# Altium PCB ESP8266_Hot_Plate_Ver_1.PcbDoc
Units mm, origin at the board's own origin, x right, y up, seen from the top; angles counter-clockwise.
Board outline 86 x 66 mm, 2 copper layers (Top Layer, Bottom Layer), stack 0.97 mm thick; 51 components, 31 nets, 145 pads, 346 vias.
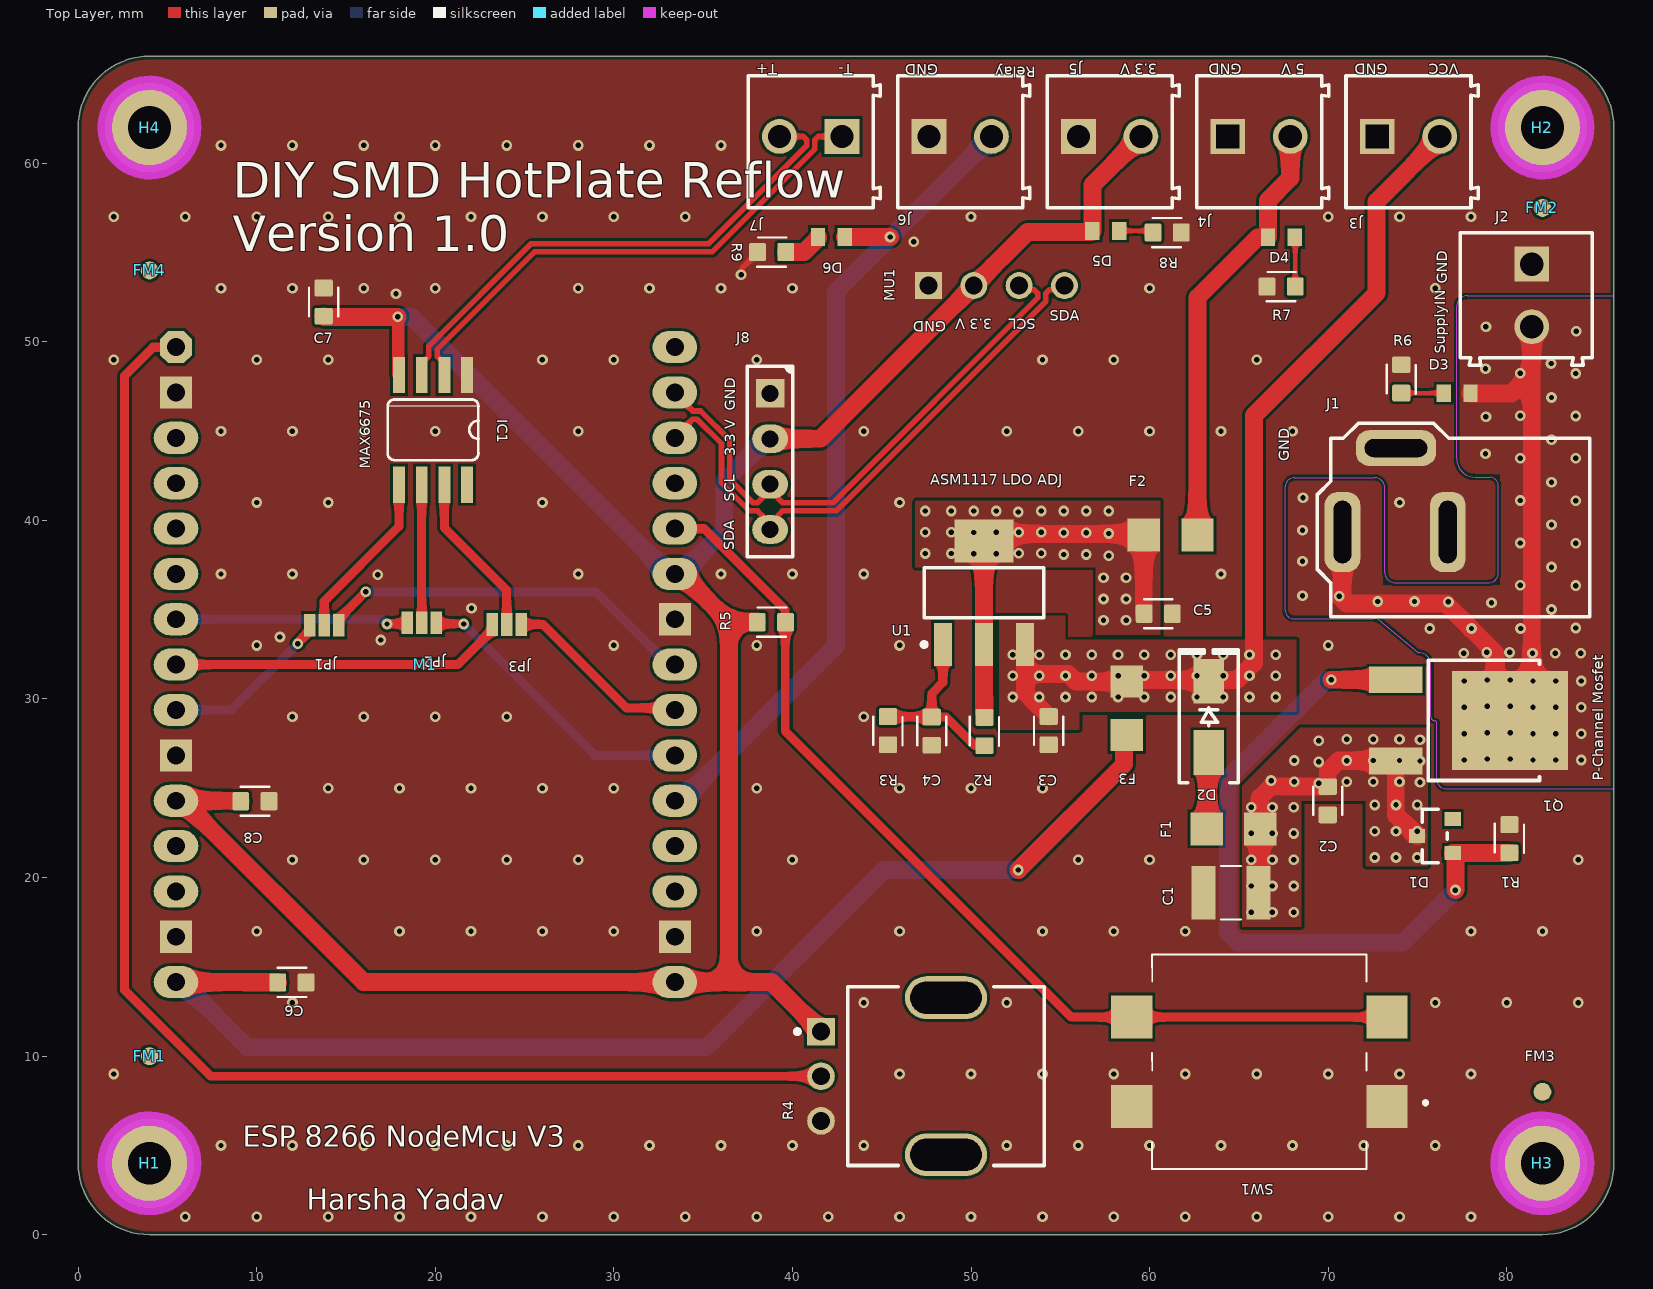
[diagram p0: Top Layer view]
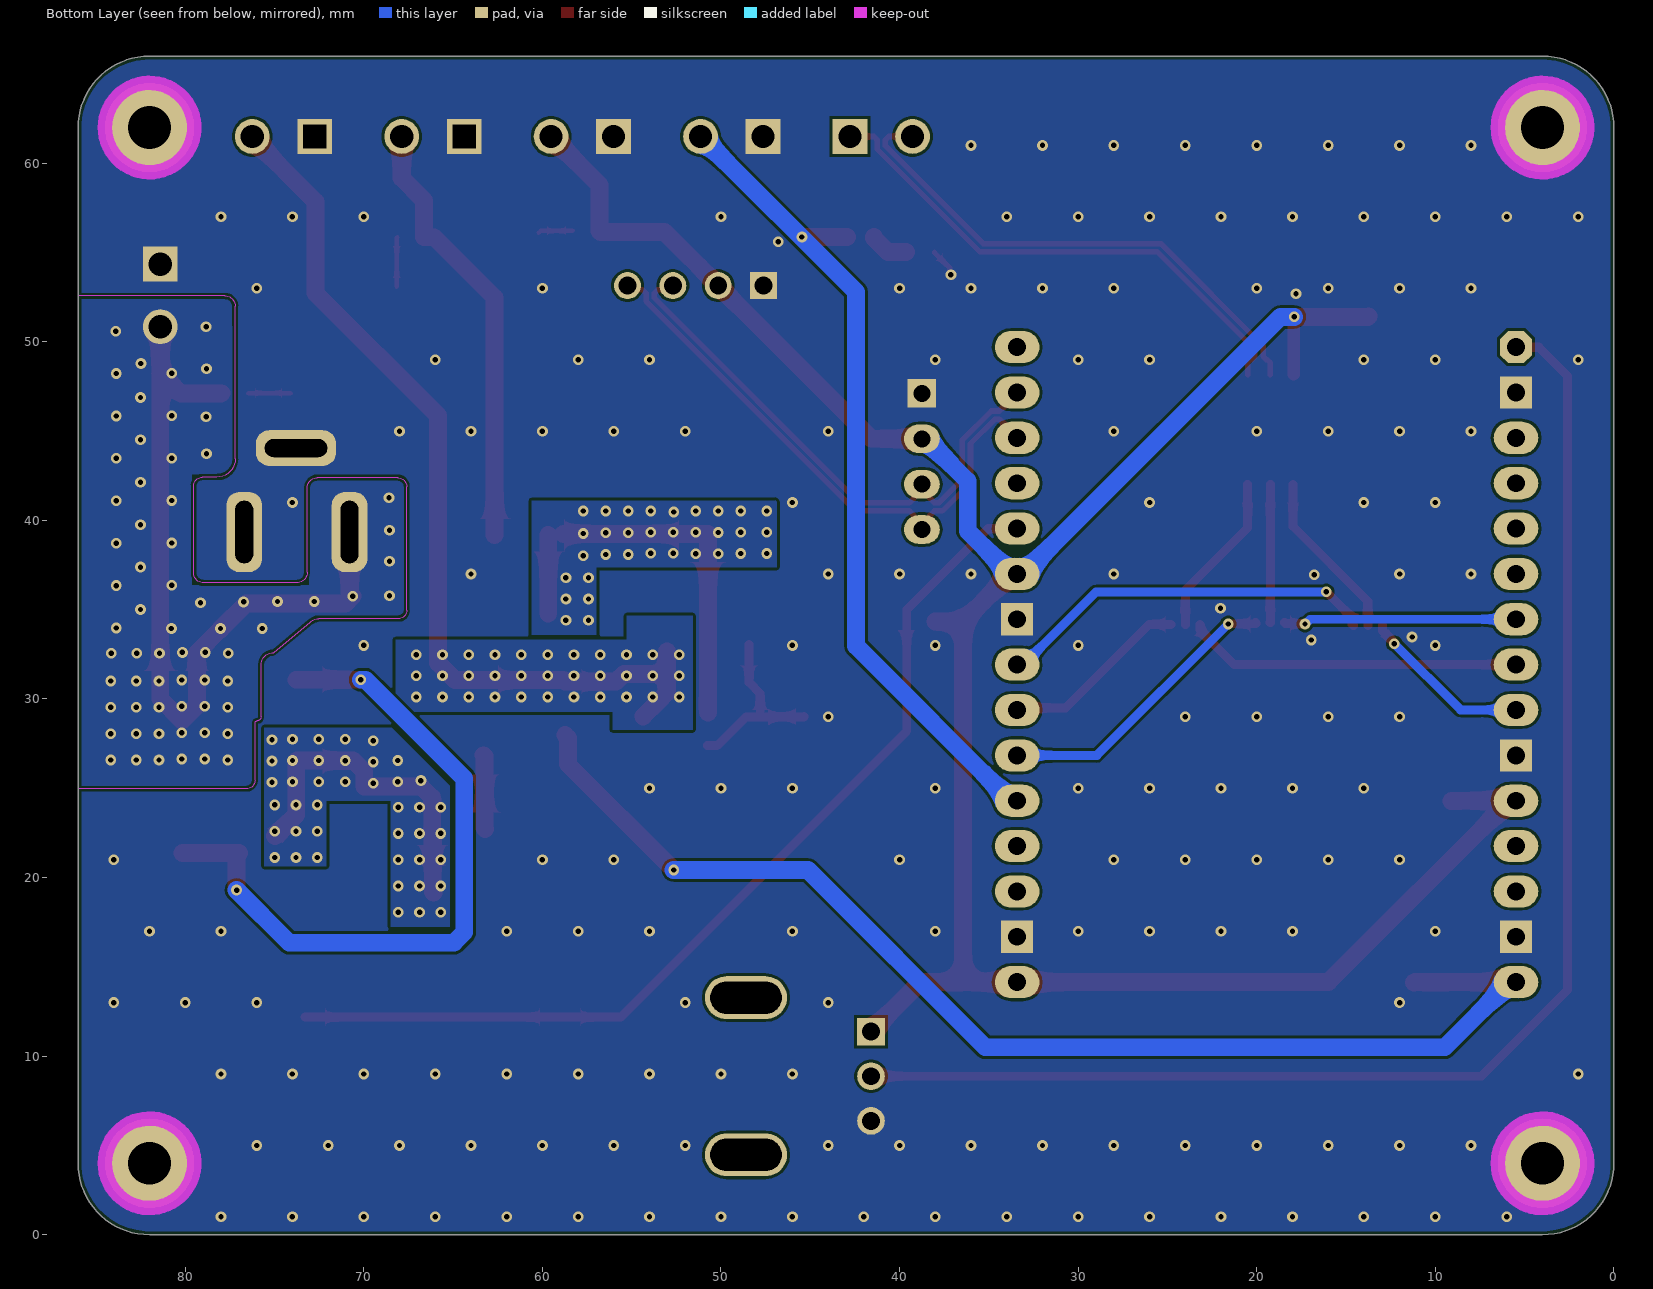
[diagram p1: Bottom Layer view, seen from below]
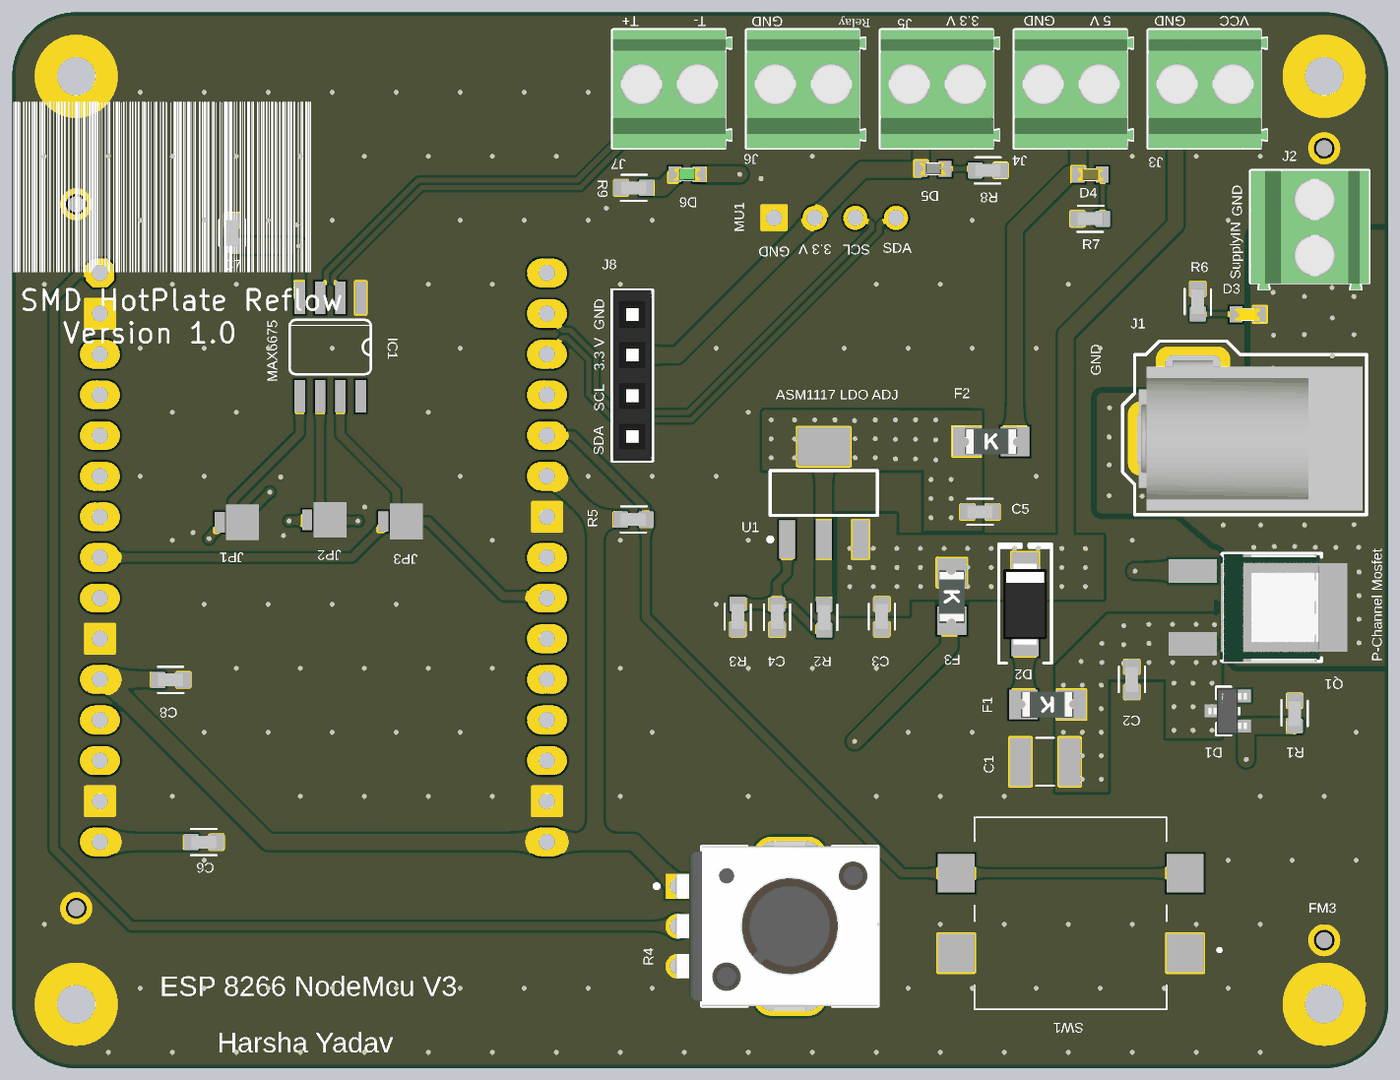
[diagram p2: 3D render of the assembled board from above, using the file's embedded part models]

## Layer stack, top to bottom
Top Solder: solder mask 0.0127, Solder Resist, Dk 3.8
Top Layer: signal copper 0.035
Dielectric: core 0.9, FR-4, Dk 4.5
Bottom Layer: signal copper 0.035
Bottom Solder: solder mask 0.0127, Solder Resist, Dk 3.8

## Board outline
0,4 0,62 cw(c4,62) 4,66 82,66 cw(c82,62) 86,62 86,4 cw(c82,4) 82,0 4,0 cw(c4,4)

## Design rules (kind name [scope] priority, off if disabled: settings)
BoardOutlineClearance [All] p1: gap=0.2 ignorepadtopadclearanceinfootprint=FALSE
Clearance [All] p1: gap=0.15 ignorepadtopadclearanceinfootprint=FALSE except(0.254: Arc-Hole Track-Hole SMDPad-Hole THPad-Hole Via-Hole Fill-Hole Poly-Hole Region-Hole Text-Hole)
ComponentClearance [All] p1: gap=0.127 collisioncheckmode=3 verticalgap=0.127 showdistances=TRUE
DiffPairsRouting [InDifferentialPairClass('All Differential Pairs')] p1: maxlimit=0.15 minlimit=0.15 mostfreqgap=0.15 toplayer_minwidth=0.312 toplayer_maxwidth=0.312 toplayer_prefwidth=0.312 bottomlayer_minwidth=0.312 bottomlayer_maxwidth=0.312 bottomlayer_prefwidth=0.312 impedanceprofiledriven=TRUE impedanceprofileid={C4782EB9-DCE2-4A9D-BB93-6AB4275F1281} impedanceprofilevalue=90.000000 maxuncoupledlength=12.7
Height [All] p1: minheight=0 maxheight=1816.048 prefheight=12.7
HoleSize [All] p1: absolutevalues=TRUE maxlimit=6.3 minlimit=0.3 maxpercent=80.000 minpercent=20.000
HoleToHoleClearance [All] p1: gap=0.25 allowstackedmicrovias=FALSE
MinimumAnnularRing [All] p1: minimumring=0.1
PlaneClearance [All] p1: clearance=0.254
PlaneConnect PlaneConnectPowerPads [InPadClass('PowerPads')] p1: planeconnectstyle=Direct reliefexpansion=0.508 reliefentries=4 reliefconductorwidth=0.254 reliefairgap=0.254
PlaneConnect [All] p2: planeconnectstyle=Direct reliefexpansion=0.3 reliefentries=4 reliefconductorwidth=0.127 reliefairgap=0.127
PolygonConnect PolygonConnectPowerPads [All vs (InPadClass('PowerPads'))] p1: connectstyle=Direct reliefconductorwidth=0.254 reliefentries=4 polygonreliefangle="90 Angle" airgapwidth=0.254
PolygonConnect [All] p2: connectstyle=Direct reliefconductorwidth=0.127 reliefentries=4 polygonreliefangle="90 Angle" airgapwidth=0.127
RoomDefinition 1_ESP8266_Hot_Plate [InComponentClass('1_ESP8266_Hot_Plate')] p1: confinementstyle=ConfineIn formatcopy=TRUE lockcomponents=FALSE outline -30,-12 162.825,-12 162.825,89 -30,89
RoutingVias [All] p1: holewidth=0.3 width=0.6 viastyle="Through Hole" minholewidth=0.3 minwidth=0.6 maxholewidth=0.6 maxwidth=6.6
SilkToSilkClearance [All] p1: silktosilkclearance=0.1
SilkToSolderMaskClearance [IsPad] p1: minsilkscreentomaskgap=0.15 clearancetoexposedcopper=TRUE
SolderMaskExpansion [All] p1: expansion=0.1 istentingtop=FALSE
SupplyNets "Schematic Supply Nets_10" [InNet('SupplyOUT')] p1: voltage=0.000
SupplyNets "Schematic Supply Nets_9" [InNet('Adjust')] p2: voltage=0.000
SupplyNets "Schematic Supply Nets_8" [InNet('LDO_Out')] p3: voltage=0.000
SupplyNets "Schematic Supply Nets_7" [InNet('+5')] p4: voltage=0.000
SupplyNets "Schematic Supply Nets_6" [InNet('NetD1_1')] p5: voltage=0.000
SupplyNets "Schematic Supply Nets_5" [InNetClass('GND')] p6: voltage=0.000
SupplyNets "Schematic Supply Nets_4" [InNet('+3.3V')] p7: voltage=0.000
SupplyNets "Schematic Supply Nets_3" [InNet('Relay')] p8: voltage=0.000
SupplyNets "Schematic Supply Nets_2" [InNet('VCC')] p9: voltage=0.000
SupplyNets "Schematic Supply Nets_1" [InNet('NetD2_1')] p10: voltage=0.000
SupplyNets "Schematic Supply Nets" [InNet('SupplyIN')] p11: voltage=0.000
Width Signal [InNetClass('Signal')] p1: maxlimit=0.5 minlimit=0.3 preferedwidth=0.5
Width Power [InNetClass('Power')] p2: maxlimit=1 minlimit=0.3 preferedwidth=0.5
Width GND [InNetClass('GND')] p3: maxlimit=1 minlimit=0.3 preferedwidth=0.5
21 further rules are at their usual default settings.

## Classes and differential pairs
differential pair class SDA_SLC: Diff_Pair_OLED
differential pair class Temp_Diff_Pair: Temp_Diff_Pair
component class "Room Definition1": IC1
net class Signal: A0 Adjust CS CS-1 CS-2 MISO MISO-1 MISO-2 SCLK SCLK-1 SCLK-2 SW
net class Power: +3.3V +5 LDO_Out NetD1_1 NetD2_1 Relay SupplyIN SupplyOUT VCC VIN
net class GND: GND
differential pair Diff_Pair_OLED: +Diff_Pair_OLED_P -Diff_Pair_OLED_N
differential pair Temp_Diff_Pair: +Temp_Diff_Pair_P -Temp_Diff_Pair_N

## Components (designator, comment, footprint, x,y, rotation, side; value= is the part's Value field where it differs from the comment)
C1 "47uF" 1411-3528 64.55,19.15 r180 top
C2 "100nF" C-0603 69.975,24.3 r90 top
C3 "10uF" C-0603 54.35,28.225 r90 top
C4 "10uF" C-0603 47.8,28.2 r90 top
C5 "22uF" C-0603 60.485,34.775 r180 top
C6 "100nF" C-0603 11.974,14.131 r180 top
C7 "0.1uF" C-0603 13.75,52.225 r270 top
C8 "0.1uF" C-0603 9.9,24.275 r180 top
D1 "BZX84C12-7-F" FP-SOT23-MFG 75.975,22.325 r180 top
D2 "SS34-HF" "DO214AC SMA" 63.306,29.002 r90 top
D3 "YELLOW" LED_0603_YELLOW 77.226,47.118 r0 top
D4 "RED" LED_0603_RED 67.377,55.855 r180 top
D5 "BLUE" LED_0603_BLUE 57.547,56.214 r180 top
D6 "GREEN" LED_0603_GREEN 42.176,55.869 r0 top
F1 "3A" FUSE_1206 64.698,22.729 r180 top
F2 "1A" FUSE_1206 61.175,39.175 r0 top
F3 "500mA" FUSE_1206 58.725,29.475 r270 top
FM1 "FIDUCIAL" FIDUCIAL-1MM 4,10 r0 top
FM2 "FIDUCIAL" FIDUCIAL-1MM 82,57.5 r0 top
FM3 "FIDUCIAL" FIDUCIAL-1MM 82,8 r0 top
FM4 "FIDUCIAL" FIDUCIAL-1MM 4,54 r0 top
H1 "MOUNTING PAD, round" 2,4-PAD 4,4 r0 top
H2 "MOUNTING PAD, round" 2,4-PAD 82,62 r0 top
H3 "MOUNTING PAD, round" 2,4-PAD 82,4 r0 top
H4 "MOUNTING PAD, round" 2,4-PAD 4,62 r0 top
IC1 "MAX6675" SO08 19.875,45.075 r180 top
J1 "DC-005-5A-3.0" DC-005-5A-3.0 76.7,39.35 r180 top
J2 "691214110002" 691214110002#1 81.1,52.6 r90 top
J3 "691214110002" 691214110002#2 74.5,61.2 r180 top
J4 "691214110002" 691214110002#2 66.131,61.2 r180 top
J5 "691214110002" 691214110002#1 57.762,61.2 r180 top
J6 "691214110002" 691214110002#1 49.394,61.2 r180 top
J7 "691214110002" 691214110002#3 41.025,61.2 r180 top
J8 "SSW-104-03-T-S" "SAMTEC SSW-104-03-T-S" 38.75,43.3 r270 top
JP1 "JUMPER-SMT_3_1-NC_PASTE_SILK" SMT-JUMPER_3_1-NC_PASTE_SILK 13.775,34.125 r0 top
JP2 "JUMPER-SMT_3_1-NC_PASTE_SILK" SMT-JUMPER_3_1-NC_PASTE_SILK 19.25,34.275 r0 top
JP3 "JUMPER-SMT_3_1-NC_PASTE_SILK" SMT-JUMPER_3_1-NC_PASTE_SILK 24,34.175 r0 top
M1 "Nodemcu V3" NODEMCU 19.45,31.925 r0 top
MU1 "128x64 Dot Matrix OLED Module based on SSD1306" DISPLAY-OLED-128X64-I2C 51.425,40.45 r0 top
Q1 "FDD6637" FP-369AS-MFG 78.725,28.8 r270 top
R1 "100k" R-0603 80.15,22.175 r90 top value=10K
R2 "150K" R-0603 50.75,28.175 r90 top value=10K
R3 "50K" R-0603 45.35,28.225 r270 top value=10K
R4 "PTV09A-4020U-B103" FP-PTV09A-4-MFG 48.6,8.875 r270 top value=10kΩ
R5 "150K" R-0603 38.825,34.3 r0 top value=10K
R6 "5.1K" R-0603 74.094,47.924 r270 top value=10K
R7 "1.5K" R-0603 67.368,53.091 r0 top value=10K
R8 "680R" R-0603 60.982,56.118 r180 top value=10K
R9 "680R" R-0603 38.837,55.029 r0 top value=10K
SW1 "B3FS-4002P" B3FS4002P 67.275,9.688 r0 top
U1 "AMS1117MP-ADJ" MP04A_N 50.725,35.95 r90 top

## Footprints (in the part's own frame and the unit in brackets; to place one, negate y for a bottom-side part, rotate by r counter-clockwise, add the part's x,y. Pads: shape width x height; smd on the part's side, far side on the other; paste and mask are expansions set on the pad)
2,4-PAD [mm]
  round 5 hole 2.4: 1(0,0)
  Top Layer keep-out circle w0.813: c0,0 r2.5
  Top Layer keep-out circle w0.813: c0,0 r2.5
  Bottom Layer keep-out circle w0.813: c0,0 r2.5
1411-3528 [mm]
  rect 1.34x3.02 smd: 1(-1.54,0) 2(1.54,0)
  silkscreen extent -0.55,-1.5 0.55,1.5
691214110002#1 [mm] "3.50 mm Horizontal Entry Modular, 2p"
  round 1.95 hole 1.3: 1(-1.75,-0.3)
  rect 1.95x1.95 hole 1.3: 2(1.75,-0.3)
  silkscreen extent -3.9,-3.7 3.5,3.7, body extent -3.95,-3.7 3.5,3.7, height 8.55
691214110002#2 [mm] "3.50 mm Horizontal Entry Modular, 2p"
  round 1.95 hole 1.3: 1(-1.75,-0.3)
  rect 1.95x1.95 hole 1.3 square: 2(1.75,-0.3)
  silkscreen extent -3.9,-3.7 3.5,3.7, body extent -3.95,-3.7 3.5,3.7, height 8.55
691214110002#3 [mm] "3.50 mm Horizontal Entry Modular, 2p"
  rect 1.95x1.95 hole 1.3: 1(-1.75,-0.3)
  round 1.95 hole 1.3: 2(1.75,-0.3)
  silkscreen extent -3.9,-3.7 3.5,3.7, body extent -3.95,-3.7 3.5,3.7, height 8.55
B3FS4002P [mm]
  rect 2.3x2.4 smd: 1(6.025,-2.5) 2(-8.275,-2.5) 3(6.025,2.5) 4(-8.275,2.5)
  silkscreen extent -7.13,-6 8.27,6
C-0603 [mm]
  rrect20% 0.94x1.02 smd mask+0.05: 1(-0.79,0) 2(0.79,0)
  silkscreen extent -0.8,-0.82 0.8,0.82, body extent -0.8,-0.4 0.8,0.4, height 0.23
DC-005-5A-3.0 [mm]
  rrect75% 2x4.5 hole 1 slot 3.5 at 90 deg mask+0.07: 1(5.9,0) 2(0,0)
  rrect75% 4.5x2 hole 1 slot 3.5 at 0 deg mask+0.07: 3(2.9,-4.7)
  silkscreen extent -7.95,-6.1 7.3,4.75, body extent -7.7,-4.9 6.3,4.5, height 11.01
DISPLAY-OLED-128X64-I2C [mm]
  rect 1.508x1.508 / inner round 1.393 / far side rect 1.508x1.508 hole 1: 1(-3.81,12.7)
  round 1.508 hole 1: 2(-1.27,12.7) 3(1.27,12.7) 4(3.81,12.7)
"DO214AC SMA" [mm] "Molded Diode, 2-Leads, Body 4.30x2.60mm, IPC Medium Density"
  rect 2.5x1.7 smd: 1(-2,0) 2(2,0)
  silkscreen extent -3.68,-1.65 3.75,1.65, body extent -2.6,-1.37 2.6,1.37, height 2.4
FIDUCIAL-1MM [mm] "1MM FIDUCAL MARKER"
  round 1 smd paste+0 mask+0.5: 1(0,0)
FP-369AS-MFG [mm]
  rect 1.5x3 smd paste+0 mask+0: 1(-2.28,-4.938) 3(2.28,-4.938)
  rect 5.55x6.5 smd paste+0 mask+0: 4(0,1.462)
  silkscreen extent -3.36,-3.11 3.36,3.11, body extent -3.46,-6.46 3.46,4.81, height 0.25
FP-PTV09A-4-MFG [mm]
  rect 1.55x1.55 hole 1 paste-1000 mask+0: 1(-2.5,-7)
  round 1.55 hole 1 paste-1000 mask+0: 2(0,-7) 3(2.5,-7)
  rrect100% 2.4x4.6 hole 4 slot 1.8 at 0 deg paste-1000 mask+0: 4(-4.4,0) 5(4.4,0)
  silkscreen extent -5,-8.45 5,5.5, body extent -5.8,-7.88 5.8,5.6, height 0.25
FP-SOT23-MFG [mm]
  rect 0.9x0.8 smd paste+0 mask+0: 1(-1,0.95) 2(-1,-0.95) 3(1,0)
  silkscreen extent -0.7,-1.5 0.7,1.5, body extent -1.55,-1.6 1.55,1.6, height 0.25
FUSE_1206 [mm]
  rect 1.8x1.84 smd: 1(-1.5,0) 2(1.5,0)
  body extent -1.65,-0.82 1.65,0.81, height 0.84
LED_0603_BLUE [mm]
  rect 0.8x1 smd: A(0.75,0) K(-0.75,0)
  body extent -0.8,-0.4 0.8,0.4, height 0.6
LED_0603_GREEN [mm]
  rect 0.8x1 smd: A(0.75,0) K(-0.75,0)
  body extent -0.8,-0.4 0.8,0.4, height 0.6
LED_0603_RED [mm]
  rect 0.8x1 smd: A(0.75,0) K(-0.75,0)
  body extent -0.8,-0.4 0.8,0.4, height 0.6
LED_0603_YELLOW [mm]
  rect 0.8x1 smd: A(0.75,0) K(-0.75,0)
  body extent -0.8,-0.4 0.8,0.4, height 0.6
MP04A_N [mm] "SOT223, 4-Leads, Body 6.5x3.5mm, Pitch 2.3mm, Lead Span 7mm, IPC Medium Density"
  rect 2.4x1 smd: 1(-2.9,2.3) 2(-2.9,0) 3(-2.9,-2.3)
  rect 2.4x3.3 smd: 4(2.9,0)
  silkscreen extent -3.02,-3.35 1.4,3.47, body extent -1.86,-3.35 1.86,3.35, height 1.8
NODEMCU [mm] "Node MCU V3"
  oct 1.8x1.8 hole 1: 1(-13.97,17.78)
  rect 1.8x1.8 hole 1: 2(-13.97,15.24) 10(-13.97,-5.08) 14(-13.97,-15.24) 17(13.97,-15.24) 24(13.97,2.54)
  oval 2.5x1.8 hole 1: 3(-13.97,12.7) 4(-13.97,10.16) 5(-13.97,7.62) 6(-13.97,5.08) 7(-13.97,2.54) 8(-13.97,0) 9(-13.97,-2.54) 11(-13.97,-7.62) 12(-13.97,-10.16) 13(-13.97,-12.7) 15(-13.97,-17.78) 16(13.97,-17.78) 18(13.97,-12.7) 19(13.97,-10.16) 20(13.97,-7.62) 21(13.97,-5.08) 22(13.97,-2.54) 23(13.97,0) 25(13.97,5.08) 26(13.97,7.62) 27(13.97,10.16) 28(13.97,12.7) 29(13.97,15.24) 30(13.97,17.78)
R-0603 [mm]
  rrect20% 0.94x1.02 smd mask+0.05: 1(-0.79,0) 2(0.79,0)
  silkscreen extent -0.8,-0.82 0.83,0.82, body extent -0.8,-0.4 0.8,0.4, height 0.23
"SAMTEC SSW-104-03-T-S" [mm]
  rect 1.6x1.6 hole 0.95: 1(-3.81,0)
  oval 1.6x2 hole 0.95: 2(-1.27,0) 3(1.27,0) 4(3.81,0)
  silkscreen extent -5.34,-1.27 5.34,1.27, body extent -5.33,-1.21 5.33,1.21, height 8.51
SMT-JUMPER_3_1-NC_PASTE_SILK [mil]
  rect 25x50 smd paste+0: 1(-32,0) 2(0,0) 3(32,0)
SO08 [mil]
  rect 26x80 smd: 1(-75,-121) 2(-25,-121) 3(25,-121) 4(75,-121) 5(75,121) 6(25,121) 7(-25,121) 8(-75,121)
  silkscreen extent -100,-67 100,67

## Part data
C1: library part "C-1411 (3528 Metric)", "Molded Tantalum Capacitors 16V 1411 (3528 Metric)", Package="1411 KEMET", Availability=Unavailable, MF=KEMET, MP=T495B106K025ATE750, price=None, SnapEDA_Link=https://www.snapeda.com/parts/T495B106K025ATE750/KEMET/view-part/1680496/?ref=snap
C2 C3 C4 C5 C6 C7 C8: library part C-0603, "Ceramic Capacitor 16V 0603 (1608 Metric)", Package="0603 KEMET", Availability=Warning, Check_prices=https://www.snapeda.com/parts/C0603C104J4RAC/KEMET/view-part/1763758/?ref=eda, MF=KEMET, MP=C0603C104J4RAC, price=None, SnapEDA_Link=https://www.snapeda.com/parts/C0603C104J4RAC/KEMET/view-part/1763758/?ref=snap
D1: library part CMP-12792-000017-1, "DIODE ZENER 12V 300MW SOT23-3", manufacturer="Diodes Inc.", Max Junction Temp=+150°C, Max Reverse Leakage Current=0.1uA, Max Zener Voltage=12.7V, Nom Zener Voltage=12V, Package=SOT23, Power Dissipation=300mW, Reverse Voltage=8V, Temperature="-65°C to +150°C", Temperature Range Low=-65°C, Automotive=No, Category=Diode, componentlink2description=Datasheet, componentlink2url=https://www.diodes.com/assets/Datasheets/ds18001.pdf, Device Class L1="Discrete Semiconductors", Device Class L2=Diodes, Device Class L3="Zener Diodes", Digikey Description="DIODE ZENER 12V 300MW SOT23-3", Footprint Url=https://www.diodes.com/assets/Package-Files/SOT23.pdf, Height=1.1mm, Ipc Land Pattern Name=SOT92P240X102-3, Lead Free=Yes, Manufacturer Part Number=BZX84C12-7-F, Mouser Description="Zener Diodes 12V 350mW", Octopart=https://octopart.com/bzx84c12-7-f-diodes+inc.-327696, RoHS=TRUE, Standoff Height=0.013mm, Temperature Range High=+150°C, Zener Impedance=25Ω
D2: "DIODE SCHOTTKY 40V 3A DO214AC", Capacitance @ Vr, F="450pF @ 4V, 1MHz", Current - Average Rectified (Io)=3A, Current - Reverse Leakage @ Vr="500 µA @ 40 V", manufacturer="Comchip Technology", Operating Temperature - Junction="-55°C ~ 125°C", Package / Case="DO-214AC, SMA", Supplier Device Package="DO-214AC (SMA)", Supplier Part Number 1=641-2115-1-ND, Voltage - DC Reverse (Vr) (Max)="40 V", Voltage - Forward (Vf) (Max) @ If="550 mV @ 3 A", componentlink1description=Datasheet, componentlink1url=http://www.comchiptech.com/admin/files/product/20190514101641.pdf, componentlink2description="DigiKey Link", componentlink2url=https://www.digikey.com/en/products/detail/comchip-technology/SS34-HF/10279693, Diode Type=Schottky, lastupdated="02-01-2023 08:53:33 PM", Lifecycle Status=Active, Minimum Order=1, Mounting Type="Surface Mount", packaging=TapeAndReel, Part Number=SS34-HF, Part Status=Active, partid=2138, price=0.07, series=-, Speed="Fast Recovery =< 500ns, > 200mA (Io)", Supplier 1=DigiKey
D3: library part LED_0603_YELLOW, "LED 0603 YELLOW SMD"
D4: library part LED_0603_RED, "LED 0603 RED SMD"
D5: library part LED_0603_BLUE, "LED 0603 BLUE SMD"
D6: library part LED_0603_GREEN, "LED 0603 GREEN SMD"
F1 F2 F3: library part FUSE_PPTC_1206, "Fuse PPTC SMD 1206"
H1 H2 H3 H4: library part MOUNT-PAD-ROUND2.4, Package=2,8-PAD, DeviceName=2.8, DeviceSetName=MOUNT-PAD-ROUND, GateName_1=G$1, LibraryName=Holes-Custom, POPULARITY=6, SymbolName_1=MOUNT-PAD
IC1: "IC THERMOCOUP TO DGTL 8-SOIC", Package="SOIC-8 Maxim Integrated", Availability=Unavailable, MF="Maxim Integrated", MP=MAX6675, price=None, SnapEDA_Link=https://www.snapeda.com/parts/MAX6675/Maxim%20Integrated/view-part/558569/?ref=snap
J1: "DC Barrell Jack 6.2mm 5 A3.0mm Through Hole", Parameter 1=XKB, Parameter 2=DC-005-5A-3.0
J2 J3 J4 J5 J6 J7: library part CMP-1502-02464-1, "Serie 2141 - 3.50 mm Horizontal Entry Modular with Rising Cage Clamp WR-TBL, 2 pin", manufacturer="Wurth Elektronik", Operating Temperature=-40to105degC, Datasheet URL=http://katalog.we-online.de/em/datasheet/6912141100xx.pdf, Manufacturer URL=http://www.we-online.de, Mounting Technology=THT, Package Reference=691214110002, packaging=Box, Part Number=691214110002, Pin Number=2, Pitch=3.50mm, Publisher=WurthElektronik
J8: "CONN RCPT 4POS 0.1 TIN PCB", Current Rating (Amps)="5.7A per Contact", Insulation Color=Black, manufacturer="Samtec Inc.", Material Flammability Rating="UL94 V-0", Operating Temperature="-55°C ~ 105°C", Supplier Part Number 1=SSW-104-03-T-S-ND, componentlink2description="DigiKey Link", componentlink2url=http://digikey.com/product-detail/en/samtec-inc/SSW-104-03-T-S/SSW-104-03-T-S-ND/7874034, Connector Type=Receptacle, Contact Finish - Mating=Tin, Contact Finish - Post=Tin, Contact Type=Forked, Fastening Type=Push-Pull, lastupdated="21-06-2022 03:08:52 PM", Lifecycle Status=Active, Minimum Order=1, Mounting Type="Through Hole", Number of Positions=4, Number of Positions Loaded=All, Number of Rows=1, packaging=Bulk, Part Number=SSW-104-03-T-S, Part Status=Active, price=0.83, series=SSW, Style="Board to Board or Cable", Supplier 1=DigiKey, Termination=Solder
JP1 JP2 JP3: "Normally closed solder jumper (1 of 2 connections)    This jumper has an aperture in the stencil to allow solder paste to bridge one of the two connections. One connection is normally closed (NC), while the other is normally open (NO). Wick off the solder to open the connection. Reapply solder to reclose the connection. Apply solder to the other side instead to change the current path.", Package=SMT-JUMPER_3_1-NC_PASTE_SILK, DeviceName=_SILK, DeviceSetName=JUMPER-SMT_3_1-NC_PASTE, GateName_1=G$1, LibraryName=SparkFun-Jumpers, SymbolName_1=SMT-JUMPER_3_1-NC_PASTE
M1: library part NODEMCU, "Node MCU V3 Module", DeviceSetName=NODEMCU, GateName_1=G$1, LibraryName=nodemcu, Package=NODEMCU, SymbolName_1=NODEMCU
MU1: library part DISPLAY-OLED-128X64-I2C, "128x64 Dot Matrix OLED Module based on SSD1306 chip Variant with I2C interface   More details available here: http://www.instructables.com/id/Monochrome-096-i2c-OLED-display-with-arduino-SSD13/   SSD1306 datasheet: https://cdn-shop.adafruit.com/datasheets/SSD1306.pdf   Click here to find device on ebay.com Note: There are two variants: I2C and SPI. Search for the proper version.", DeviceSetName=DISPLAY-OLED-128X64-I2C, GateName_1=G$1, LibraryName=diy-modules, Package=DISPLAY-OLED-128X64-I2C, SymbolName_1=DISPLAY-OLED-128X64-I2C
Q1: library part CMP-07173-000090-1, "MOSFET P-CH 35V 13A DPAK", Continuous Drain Current=-13A, Drain To Source Breakdown Voltage=-35V, Drain To Source Resistance=9.7mΩ, Gate To Source Voltage=25V, Input Capacitace At Vds="2370pF @ -20V", manufacturer="ON Semiconductor", Max Forward Diode Voltage=-1.2V, Max Junction Temp=+150°C, Package=369AS, Power Dissipation=1.3W, Pulse Drain Current=-100A, Temperature="-55°C to +150°C", Temperature Range Low=-55°C, Typ Forward Diode Voltage=-0.8V, Automotive=No, Category=Trans, componentlink2description=Datasheet, componentlink2url=https://www.onsemi.com/pub/Collateral/FDD6637-D.pdf, Depletion Mode=False, Device Class L1="Discrete Semiconductors", Device Class L2=Transistors, Device Class L3=MOSFETs, Digikey Description="MOSFET P-CH 35V 13A DPAK", Drain To Source Voltage=-35V, Footprint Url=https://www.onsemi.com/pub/Collateral/369AS.PDF, Gate Charge At Vgs="45nC @ -10V", Height=2.517mm, Lead Free=Yes, Manufacturer Part Number=FDD6637, Mouser Description="MOSFET 35V PCH PowerTrench MOSFET", Number Of Channels=1, Number Of P Channels=1, Octopart=https://octopart.com/fdd6637-on+semiconductor-84325825, Reverse Recovery Charge=15nC, Reverse Recovery Time=28ns, RoHS=TRUE, Rthja Max=96°C/W, Temperature Range High=+150°C, Threshold Vgs Max=-3V, Threshold Vgs Min=-1V, Transconductance=35S, Turn Off Delay Time=62ns, Turn On Delay Time=18ns
R1 R2 R3 R5 R6 R7 R8 R9: library part R-0603, "0603", Power_Rating=".1 W", Resistance=10K, Tolerance=1%, Availability=Warning, Check_prices=https://www.snapeda.com/parts/2-1623703-0/TE%20Connectivity/view-part/2213192/?ref=eda, MF="TE Connectivity", MP=2-1623703-0, Package=0603, price=None, SnapEDA_Link=https://www.snapeda.com/parts/2-1623703-0/TE%20Connectivity/view-part/2213192/?ref=snap
R4: library part CMP-07234-000013-1, "POT 10K OHM 1/20W CARBON LINEAR", manufacturer="Bourns Inc.", Package=PTV09A-4, Power Rating=0.05W, Resistance=10kΩ, Temperature="-10°C to +50°C", Temperature Range High=+50°C, Temperature Range Low=-10°C, Tolerance=20%, Voltage Rating=50V, Automotive=No, Category=Res, componentlink2description=Datasheet, componentlink2url=https://www.bourns.com/docs/product-datasheets/ptv09.pdf?sfvrsn=5e1089f1_12, Composition=Carbon, Device Class L1="Passive Components", Device Class L2=Resistors, Device Class L3="Variable Resistors and Potentiometers", Digikey Description="POT 10K OHM 1/20W CARBON LINEAR", Height=20.5mm, Lead Free=Yes, Manufacturer Part Number=PTV09A-4020U-B103, Mouser Description="Potentiometers 10K LINEAR 20%", Octopart=https://octopart.com/ptv09a-4020u-b103-bourns-1878033, RoHS=TRUE, series=PTV09
SW1: library part "Tactile Switch 12x12mm", "Black Cap Tactile Switch, SPST-NO 50 mA @ 24 V dc 0.4mm", Manufacturer_Name="Omron Electronics", Mouser Part Number=653-B3FS-4002P, Datasheet Link=http://omronfs.omron.com/en_US/ecb/products/pdf/en-b3fs_4.pdf, Geometry.Height=4mm, Manufacturer_Part_Number=B3FS-4002P, Mouser Price/Stock=https://www.mouser.co.uk/ProductDetail/Omron-Electronics/B3FS-4002P?qs=%2Fv%252BM2iqGzeVovpzrTEhCpQ%3D%3D
U1: library part CMP-0062-01645-3, "800mA Low-Dropout Linear Regulator, 4-pin SOT-223", manufacturer="National Semiconductor", PackageTopMarking=XYTT*N03A, PartNumber=LM1117MP-ADJ, PowerWise=N, Code_IPC=SOT223-4, Code_JEDEC=TO-261-AA, componentlink1description="Manufacturer URL", componentlink1url=http://www.national.com/, componentlink2description="LM1117 Datasheet", componentlink2url=http://www.national.com/ds/LM/LM1117.pdf, ComponentLink3Description="LM1117 Web Page", ComponentLink3URL=http://www.national.com/pf/LM/LM1117.html, ComponentLink4Description="MP04A Package Page", ComponentLink4URL=http://www.national.com/packaging/folders/mp04a.html, CompType="LDO IC", DatasheetVersion=Apr-2006, High-Reliability=Y, PackageDescription="Molded SOT-223, 6.50 x 3.56 x 1.6mm Body, 4 Lead, 2.3mm Pitch", PackageReference=MP04A, PackageVersion="revB, Apr-2003", PinCount=4, RevisionNote="SCH symbol layout adjusted", RoHS=N

## Via types
v1: diameter 0.6, hole 0.3, Top Layer to Bottom Layer, tented both sides, 262 vias
v2: diameter 0.6, hole 0.3, Top Layer to Bottom Layer, tented bottom, 84 vias

## Nets (pads, with @x,y where several pads share a name; then routed paths per layer and width w, separated by ;. In a path a pad name is that pad's centre, name@x,y a point inside that pad or via, vN(x,y) a via of type N, cw(c..) or ccw(c..) an arc to the next point about the centre after c; other vN are vias at no path point)
+3.3V: C7.2 C8.2 D5.A IC1.4 J5.1 J8.2 M1.11 M1.16 M1.25 MU1.2 R4.1 R5.1 | length 139
  Top Layer w0.3: v1(17.9,51.4) v1@17.935,51.365 ; IC1.4@17.935,48.183 IC1.4
  Top Layer w0.7: IC1.4@17.935,48.183 v1@17.935,51.365
  Top Layer w1: M1.11 M1.11@5.83,24.305 ; C8.2 9.1,24.285 8.624,24.285 8.604,24.305 M1.11@5.83,24.305 ; C7.2 13.75,51.415 13.76,51.405 13.78,51.405 13.785,51.4 v1(17.9,51.4) ; M1.25 33.77,37.005 36.44,34.335 ; R5.1@38,34.335 36.44,34.335 ; J8.2 41.575,44.57 MU1.2 53.162,56.157 56.74,56.157 D5.A 56.797,58.785 J5.1 ; R4.1 38.83,14.145 36.44,14.145 ; M1.11@5.83,24.305 15.99,14.145 M1.16 36.44,14.145 ; 36.44,14.145 36.44,34.335
  Bottom Layer w1: v1(17.9,51.4) 18.675,51.4 33.07,37.005 M1.25 33.77,37.005 36.179,39.414 36.179,42.199 38.55,44.57 J8.2
+5: D4.A F2.2 J4.1 | length 24.8
  Top Layer w1: F2.2 62.675,52.475 66.055,55.855 D4.A 66.627,57.922 67.881,59.176 J4.1
A0: M1.1 R4.2 | length 78.9
  Top Layer w0.5: M1.1 4.205,49.705 2.6,48.1 2.6,13.7 7.425,8.875 R4.2
Adjust: C4.2 R2.1 R3.1 U1.1 | length 10.4
  Top Layer w0.5: R3.1 45.362,29.003 47.787,29.003 C4.2 ; U1.1 48.425,30.925 47.8,30.3 C4.2 ; R2.1 50.215,27.385 48.61,28.99 C4.2
CS: IC1.6 JP2.2 | length 7.7
  Top Layer w0.5: IC1.6 19.24,34.285 JP2.2
CS-1: JP2.3 M1.21 | length 16.5
  Top Layer w0.5: JP2.3 20.025,34.237 20.025,34.212 21.588,34.212 v1(21.6,34.2)
  Bottom Layer w0.5: v1(21.6,34.2) 28.955,26.845 M1.21
CS-2: JP2.1 M1.7 | length 13.1
  Top Layer w0.5: v1(17.3,34.2) 17.319,34.219 18.381,34.219 JP2.1
  Bottom Layer w0.5: M1.7 17.008,34.465 17.273,34.2 v1(17.3,34.2)
Diff_Pair_OLED_N: J8.4 M1.28 MU1.4 | length 32.4
  Top Layer w0.312: M1.28 33.42,44.678 34.407,45.664 34.665,45.664 36.028,44.301 36.028,42.107 37.605,40.529 38.055,40.529 38.303,40.28 38.303,39.937 J8.4 39.197,39.937 39.197,40.28 39.445,40.529 42.455,40.529 54.196,52.27 54.196,52.72 54.397,52.921 55.006,52.921 MU1.4
Diff_Pair_OLED_P: J8.3 M1.29 MU1.3 | length 31.7
  Top Layer w0.312: M1.29 33.42,47.112 34.407,46.126 34.856,46.126 36.49,44.492 36.49,42.298 37.797,40.991 38.055,40.991 38.303,41.24 38.303,41.583 J8.3 39.197,41.583 39.197,41.24 39.445,40.991 42.263,40.991 53.734,52.462 53.734,52.72 53.533,52.921 52.924,52.921 MU1.3
GND: C1.2 C2.1 C3.1 C4.1 C5.1 C6.1 C7.1 C8.1 H1.1 H2.1 H3.1 H4.1 IC1.1 J1.2 J1.3 J2.2 J3.2 J4.2 J5.2 J6.2 J8.1 M1.2 M1.10 M1.14 M1.17 M1.24 MU1.1 R1.2 R3.2 R4.3 R6.1 R7.1 R8.1 R9.1 SW1.1 SW1.2 | length 1.7
  Top Layer w0.3: v1(37.125,53.75) 37.182,53.807 37.182,54.124 38.047,54.989 R9.1
  other v1: 6,1 10,1 14,1 18,1 22,1 26,1 30,1 34,1 38,1 42,1 46,1 50,1 54,1 58,1 62,1 66,1 70,1 74,1 78,1 8,5 12,5 16,5 20,5 24,5 28,5 32,5 36,5 40,5 44,5 52,5 56,5 60,5 64,5 68,5 72,5 76,5 2,9 46,9 50,9 54,9 58,9 62,9 66,9 70,9 74,9 78,9 12,13 44,13 52,13 76,13 80,13 84,13 10,17 18,17 22,17 26,17 30,17 38,17 46,17 54,17 58,17 62,17 78,17 82,17 12,21 16,21 20,21 24,21 28,21 40,21 56,21 60,21 84,21 14,25 18,25 22,25 26,25 30,25 38,25 46,25 50,25 54,25 12,29 16,29 20,29 24,29 44,29 10,33 30,33 38,33 46,33 70,33 16.95,33.3 11.3,33.475 22.025,35.075 16.775,36.95 8,37 12,37 28,37 36,37 40,37 44,37 64,37 10,41 14,41 26,41 46,41 74,41 8,45 12,45 16,45 20,45 28,45 44,45 52,45 56,45 60,45 64,45 68,45 2,49 10,49 14,49 26,49 30,49 38,49 54,49 58,49 66,49 17.8,52.7 8,53 12,53 16,53 20,53 28,53 32,53 36,53 40,53 60,53 76,53 46.8,55.6 2,57 6,57 10,57 14,57 18,57 22,57 26,57 30,57 34,57 50,57 70,57 74,57 78,57 8,61 12,61 16,61 20,61 24,61 28,61 32,61 36,61
LDO_Out: C5.2 F2.1 R2.2 U1.2 U1.4 | length 22.5
  Top Layer w1: R2.2@50.725,29.235 50.725,32.655 50.725,39.245 F2.1@58.825,39.245 ; C5.2@59.675,34.795 F2.1
  other v1: 57.419,34.414 58.685,34.414 57.419,35.601 58.685,35.601 57.419,36.789 58.685,36.789 57.719,38.014 55.198,38.089 56.458,38.089 47.435,38.15 53.937,38.164 57.719,39.269 55.198,39.307 56.458,39.307 47.435,39.338 53.937,39.344 47.435,40.525 53.937,40.525 55.198,40.525 56.458,40.525 57.719,40.525
  other v2: 48.895,38.15 50.156,38.139 51.416,38.139 52.677,38.164 50.156,39.326 51.416,39.332 48.895,39.338 52.677,39.344 52.652,40.475 48.895,40.525 50.156,40.525 51.416,40.525
MISO: IC1.7 JP3.2 | length 9.3
  Top Layer w0.5: IC1.7 20.51,39.59 24,36.1 JP3.2
MISO-1: JP3.3 M1.22 | length 10.6
  Top Layer w0.5: JP3.3 26.025,34.175 30.7,29.5 33.305,29.5 M1.22
MISO-2: JP3.1 M1.8 | length 18.8
  Top Layer w0.5: M1.8 21.255,31.925 23.187,33.857 JP3.1
NetD1_1: D1.1 Q1.1 R1.1 | length 39.9
  Top Layer w1: v1(70.175,31.075) 70.18,31.08 Q1.1 ; v1(77.125,19.3) 77.125,21.225 D1.1 76.985,21.385 R1.1 R1.1@80.14,21.375
  Bottom Layer w1: v1(70.175,31.075) 69.9,31.075 64.375,25.55 64.375,16.936 64.961,16.35 74.175,16.35 v1(77.125,19.3)
NetD2_1: D2.1 F1.2 | length 4.2
  Top Layer w1: F1.2 63.252,22.783 63.252,26.797 D2.1@63.306,26.852
NetD3_K: D3.K R6.2 | length 2.4
  Top Layer w0.254: R6.2 76.461,47.134 D3.K
NetD4_K: D4.K R7.2 | length 2.8
  Top Layer w0.254: D4.K 68.158,55.824 R7.2
NetD5_K: D5.K R8.2 | length 2.1
  Top Layer w0.254: D5.K 58.297,56.218 R8.2@60.092,56.218 ; R8.2@60.092,56.218 R8.2 R8.2@60.092,56.218
NetD6_K: D6.K R9.2 | length 2.2
  Top Layer w1: R9.2 40.657,55.029 41.426,55.798 D6.K
Relay: D6.A J6.1 M1.20 | length 47.3
  Top Layer w1: D6.A v1(45.469,55.869)
  Bottom Layer w1: M1.20 33.77,24.305 42.442,32.977 42.442,52.799 J6.1
SCLK: IC1.5 JP1.2 | length 9.6
  Top Layer w0.5: JP1.2 13.775,35.475 17.97,39.67 IC1.5
SCLK-1: JP1.3 M1.23 | length 21.5
  Top Layer w0.5: JP1.3 14.655,34.192 14.655,34.555 v1(16.1,36)
  Bottom Layer w0.5: v1(16.1,36) 28.995,36 33.07,31.925 M1.23
SCLK-2: JP1.1 M1.9 | length 9.7
  Top Layer w0.5: v1(12.3,33.1) 12.319,33.119 12.319,33.164 12.962,33.807 JP1.1
  Bottom Layer w0.5: M1.9 8.585,29.385 v1(12.3,33.1)
SupplyIN: D3.A J1.1 J2.1 Q1.4 | length 44.3
  Top Layer w1: J1.1 70.8,35.925 v2(70.625,35.75) 71.025,35.35 74.833,35.35 76.589,35.35 78.025,33.914 78.025,33.875 78.064,33.875 79.35,32.589 79.35,31.061 79.35,29.637 Q1.4 81.4,30.012 81.4,48.25 ; D3.A 77.995,47.1 80.25,47.1 81.4,48.25 ; J2.1 81.4,48.25
  other v2: 77.627,26.586 81.47,26.586 82.752,26.586 84.177,26.586 78.908,26.636 80.189,26.636 77.627,28.061 81.47,28.061 82.752,28.061 84.177,28.061 78.908,28.111 80.189,28.111 77.627,29.536 81.47,29.536 82.752,29.536 84.177,29.536 78.908,29.586 80.189,29.586 77.627,31.011 81.47,31.011 82.752,31.011 84.177,31.011 78.908,31.061 80.189,31.061 77.597,32.559 81.441,32.559 82.722,32.559 84.147,32.559 78.878,32.609 80.16,32.609 75.683,33.95 78.025,33.95 80.775,33.95 83.861,33.975 82.508,35.012 79.148,35.397 76.733,35.437 72.783,35.462 74.833,35.462 68.559,35.781 83.861,36.35 80.758,36.362 82.508,37.387 68.559,37.706 80.758,38.737 83.861,38.725 68.559,39.456 82.508,39.762 83.861,41.1 80.758,41.112 68.587,41.274 82.508,42.137 80.758,43.487 83.861,43.475 78.808,43.737 82.508,44.512 78.833,45.812 83.861,45.85 80.758,45.862 82.508,46.887 80.758,48.237 83.861,48.225 78.808,48.487 82.483,48.787 83.886,50.6 78.833,50.837
SupplyOUT: C1.1 C2.2 D1.3 F1.1 Q1.3 | length 19
  Top Layer w1: C1.1 66.144,19.204 66.144,22.675 F1.1 66.173,22.754 66.173,24.474 66.788,25.09 C2.2 69.975,25.934 70.591,26.55 73.757,26.55 Q1.3 73.788,25.366 73.788,24.07 73.788,23.512 D1.3
  other v1: 66.878,18.055 68.066,18.055 66.878,19.528 68.066,19.528 66.878,21 68.066,21 72.609,21.125 73.797,21.125 74.984,21.125 66.878,22.473 68.066,22.473 72.609,22.597 73.797,22.597 74.984,22.597 66.878,23.945 68.066,23.945 72.609,24.07 73.797,24.07 74.984,24.07 69.468,25.289 75.145,25.341 68.105,25.366 71.043,25.364 72.522,25.366 73.995,25.366 66.804,25.43 69.468,26.476 75.145,26.528 68.105,26.553 71.043,26.551 72.522,26.553 73.995,26.553 69.468,27.664 75.145,27.716 71.043,27.739 72.522,27.741 73.995,27.741
  other v2: 65.691,18.055 65.691,19.528 65.691,21 65.691,22.473 65.691,23.945
SW: M1.26 R5.2 SW1.3 SW1.4 | length 55.2
  Top Layer w0.5: M1.26 35.055,39.545 39.6,35 39.6,34.3 39.6,28.2 55.612,12.188 SW1.3
Temp_Diff_Pair_N: IC1.2 J7.1 | length 29.5
  Top Layer w0.312: IC1.2 20.51,48.834 20.336,49.009 20.288,49.009 20.106,49.191 20.106,49.574 25.567,55.036 35.503,55.036 41.256,60.788 41.256,61.317 41.438,61.5 J7.1
Temp_Diff_Pair_P: IC1.3 J7.2 | length 29.5
  Top Layer w0.312: IC1.3 19.24,48.834 19.414,49.009 19.462,49.009 19.644,49.191 19.644,49.765 25.376,55.497 35.312,55.497 40.794,60.979 40.794,61.317 40.611,61.5 J7.2
VCC: C3.2 D2.2 F3.1 J3.1 U1.3 | length 52.4
  Top Layer w1: 53.015,31.653 53.015,32.655 53.031,32.655 53.033,32.653 53.033,31.405 ; C3.2 54.35,29.035 53.547,29.838 53.033,30.352 53.033,31.405 ; J3.1 76.25,61.4 72.7,57.85 72.7,52.725 65.85,45.875 65.85,32.484 65.85,32.025 65.36,31.535 64.888,31.063 64.125,31.063 63.306,31.063 62.653,31.063 61.18,31.063 59.708,31.063 58.813,31.063 F3.1 58.235,30.975 56.763,30.975 55.875,30.975 55.445,31.405 53.818,31.405 53.033,31.405
  other v1: 52.345,30.109 53.818,30.109 55.29,30.109 56.763,30.109 58.235,30.109 59.708,30.109 61.18,30.109 62.653,30.109 64.125,30.109 65.598,30.109 67.07,30.109 52.345,31.297 53.818,31.297 55.29,31.297 56.763,31.297 58.235,31.297 59.708,31.297 61.18,31.297 62.653,31.297 64.125,31.297 65.598,31.297 67.07,31.297 52.345,32.484 53.818,32.484 55.29,32.484 56.763,32.484 58.235,32.484 59.708,32.484 61.18,32.484 62.653,32.484 64.125,32.484 65.598,32.484 67.07,32.484
VIN: C6.2 F3.2 M1.15 | length 68.6
  Top Layer w1: M1.15 11.15,14.145 11.164,14.131 C6.2 ; v1(52.65,20.425) 58.575,26.35 58.575,27.825 F3.2
  Bottom Layer w1: M1.15 5.83,14.145 9.475,10.5 35.2,10.5 45.125,20.425 v1(52.65,20.425)
pads on no net: D1.2 FM1.1 FM2.1 FM3.1 FM4.1 IC1.8 M1.3 M1.4 M1.5 M1.6 M1.12 M1.13 M1.18 M1.19 M1.27 M1.30 R4.4 R4.5

## Polygon pours and split planes (outlines as drawn)
GND on Top Layer "TOP_GND" (solid, pour order 18): 0,4 0,62 cw(c4,62) 4,66 82,66 cw(c82,62) 86,62 86,4 cw(c82,4) 82,0 4,0 cw(c4,4)
VCC on Top Layer "TOP_VCC" (solid, pour order 9): 51.575,28.284 56.075,28.284 56.075,29.291 68.225,29.291 68.225,33.325 55.275,33.325 55.275,34.659 51.575,34.659
LDO_Out on Top Layer "TOP_LOD_OUT" (solid, pour order 7): 46.875,41.139 60.6,41.113 60.6,33.6 56.975,33.6 56.975,37.375 46.875,37.375
SupplyIN on Top Layer "TOP_SupplyIN" (solid, pour order 10): 73.05,42.25 73.05,36.375 79.65,36.375 79.65,42.575 77.325,42.575 77.4,52.575 86,52.575 86,24.975 75.575,24.975 75.575,32.15 72.75,34.625 67.75,34.625 67.75,42.25
SupplyOUT on Top Layer "TOP_Supply _Out" (solid, pour order 8): 65.2,25.15 68.45,28.4 75.575,28.4 75.575,20.625 72.1,20.625 72.1,24.3 68.5,24.3 68.5,17.25 65.2,17.25
GND on Bottom Layer "BOT_GND" (solid, pour order 19): 0,4 0,62 cw(c4,62) 4,66 82,66 cw(c82,62) 86,62 86,4 cw(c82,4) 82,0 4,0 cw(c4,4)
SupplyOUT on Bottom Layer "BOT_Supply _Out" (solid, pour order 14): 65.2,25.15 68.45,28.4 75.575,28.4 75.575,20.625 72.1,20.625 72.1,24.3 68.5,24.3 68.5,17.25 65.2,17.25
VCC on Bottom Layer "BOT_VCC" (solid, pour order 16): 51.575,28.284 56.075,28.284 56.075,29.291 68.225,29.291 68.225,33.325 55.275,33.325 55.275,34.659 51.575,34.659
LDO_Out on Bottom Layer "BOT_LOD_OUT" (solid, pour order 15): 46.875,41.139 60.6,41.113 60.6,33.6 56.975,33.6 56.975,37.375 46.875,37.375
SupplyIN on Bottom Layer "BOT_SupplyIN" (solid, pour order 12): 73.05,42.25 73.05,36.375 79.65,36.375 79.65,42.575 77.325,42.575 77.4,52.575 86,52.575 86,24.975 75.575,24.975 75.575,32.15 72.75,34.625 67.75,34.625 67.75,42.25

## Keep-outs
Top Layer:
  lines w0.05: 75.758,29.25 75.758,31.967 ; 75.758,29.492 75.758,28.992 ccw(c75.975,28.992) 75.975,28.775 cw(c75.975,28.661) 76.089,28.661 76.089,28.469 76.089,25.482 ccw(c76.596,25.482) 76.596,24.975 85.946,24.975 ; 75.758,31.882 ccw(c75.038,31.882) 75.038,32.602 73.042,34.283 ccw(c72.519,33.76) 72.519,34.5 68.069,34.5 cw(c68.069,34.969) 67.6,34.969 67.6,41.888 cw(c68.112,41.888) 68.112,42.4 72.597,42.4 cw(c72.597,41.822) 73.175,41.822 73.175,37.095 ccw(c73.77,37.095) 73.77,36.5 78.971,36.5 ccw(c78.971,37.054) 79.525,37.054 79.525,41.956 ccw(c79.056,41.956) 79.056,42.425 78.223,42.425 cw(c78.223,43.448) 77.2,43.448 77.2,51.986 cw(c77.789,51.986) 77.789,52.575 86,52.575
Bottom Layer:
  lines w0.05: 85.946,24.975 76.577,24.975 cw(c76.577,25.463) 76.089,25.463 76.089,28.469 76.089,28.661 ccw(c75.975,28.661) 75.975,28.775 cw(c75.975,28.992) 75.758,28.992 75.758,29.25 75.758,31.882 ccw(c75.038,31.882) 75.038,32.602 73.042,34.283 ccw(c72.519,33.76) 72.519,34.5 68.069,34.5 cw(c68.069,34.969) 67.6,34.969 67.6,41.888 cw(c68.112,41.888) 68.112,42.4 72.597,42.4 cw(c72.597,41.822) 73.175,41.822 73.175,37.095 ccw(c73.77,37.095) 73.77,36.5 78.971,36.5 ccw(c78.971,37.054) 79.525,37.054 79.525,41.956 ccw(c79.056,41.956) 79.056,42.425 78.223,42.425 cw(c78.223,43.448) 77.2,43.448 77.2,51.986 cw(c77.789,51.986) 77.789,52.575 86,52.575

## Silkscreen, mask and mechanical layers (free items; w line width, h text height)
Top Overlay:
  text "GND" at 65.175,65.775 h1 r180
  text "T+" at 39.15,65.75 h1 r180
  text "T-" at 43.375,65.75 h1 r180
  text "3.3 V" at 60.425,65.764 h1 r180
  text "5 V" at 68.675,65.764 h1 r180
  text "GND" at 73.335,65.76 h1 r180
  text "VCC" at 77.299,65.764 h1 r180
  text "GND" at 48.166,65.734 h1 r180
  text "Relay" at 53.624,65.598 h1 r180
  text "DIY SMD HotPlate Reflow / Version 1.0" at 8.662,55.079 h2
  text "GND" at 76.855,53.248 h1 r90
  text "3.3 V" at 51.2,51.489 h1 r180
  text "SCL" at 53.625,51.475 h1 r180
  text "GND" at 48.6,51.35 h1 r180
  text "SDA" at 54.4,50.975 h1
  text "SupplyIN" at 76.748,49.326 h1 r90
  text "GND" at 36.985,46.15 h1 r90
  text "3.3 V" at 36.989,43.6 h1 r90
  text "GND" at 68.025,43.3 h1 r90
  text "MAX6675" at 16.55,42.9 h1 r90
  text "ASM1117 LDO ADJ" at 47.725,41.8 h1
  text "SCL" at 36.977,41.052 h1 r90
  text "SDA" at 36.95,38.325 h1 r90
  text "P-Channel Mosfet" at 85.6,25.425 h1 r90
  text "ESP 8266 NodeMcu V3" at 9.225,4.522 h2
  text "Harsha Yadav" at 12.8,0.995 h2

## Text inside footprints (layer, text, board x,y; h text height)
M1: Top Component Outline "A0" at 7.702,49.07 h1.97; Top Component Outline "G" at 7.702,46.53 h1.97; Top Component Outline "VV" at 7.702,43.99 h1.97; Top Component Outline "S3" at 7.702,41.45 h1.97; Top Component Outline "S2" at 7.702,38.91 h1.97; Top Component Outline "S1" at 7.702,36.37 h1.97; Top Component Outline "SC" at 7.702,33.83 h1.97; Top Component Outline "S0" at 7.702,31.29 h1.97; Top Component Outline "SK" at 7.702,28.75 h1.97; Top Component Outline "G" at 7.702,26.21 h1.97; Top Component Outline "3.3V" at 7.702,23.67 h1.97; Top Component Outline "EN" at 7.702,21.13 h1.97; Top Component Outline "RST" at 7.702,18.59 h1.97; Top Component Outline "G" at 7.702,16.05 h1.97; Top Component Outline "VIN" at 7.702,13.51 h1.97; Top Component Outline "G" at 28.975,16.05 h1.97; Top Component Outline "TX" at 28.975,18.59 h1.97; Top Component Outline "RX" at 28.975,21.13 h1.97; Top Component Outline "D8" at 28.975,23.67 h1.97; Top Component Outline "D7" at 28.975,26.21 h1.97; Top Component Outline "D6" at 28.975,28.75 h1.97; Top Component Outline "D5" at 28.975,31.29 h1.97; Top Component Outline "G" at 28.975,33.83 h1.97; Top Component Outline "3.3V" at 26.95,36.425 h1.97; Top Component Outline "D4" at 29.292,38.91 h1.97; Top Component Outline "D3" at 29.292,41.45 h1.97; Top Component Outline "D2" at 29.292,43.99 h1.97; Top Component Outline "D1" at 29.292,46.53 h1.97; Top Component Outline "D0" at 29.292,49.07 h1.97; Top Component Outline "RST" at 13.1,8.113 h1.97 r270; Top Component Outline "FLASH" at 24.53,9.383 h1.97 r270; Top Component Outline "Ver 0.1" at 28.594,54.023 h1.78; Top Component Outline "3.3V" at 26.95,13.675 h1.97